# Altium PCB LimeSDR-X3_1v0.PcbDoc (part 11 of 25) (continued)
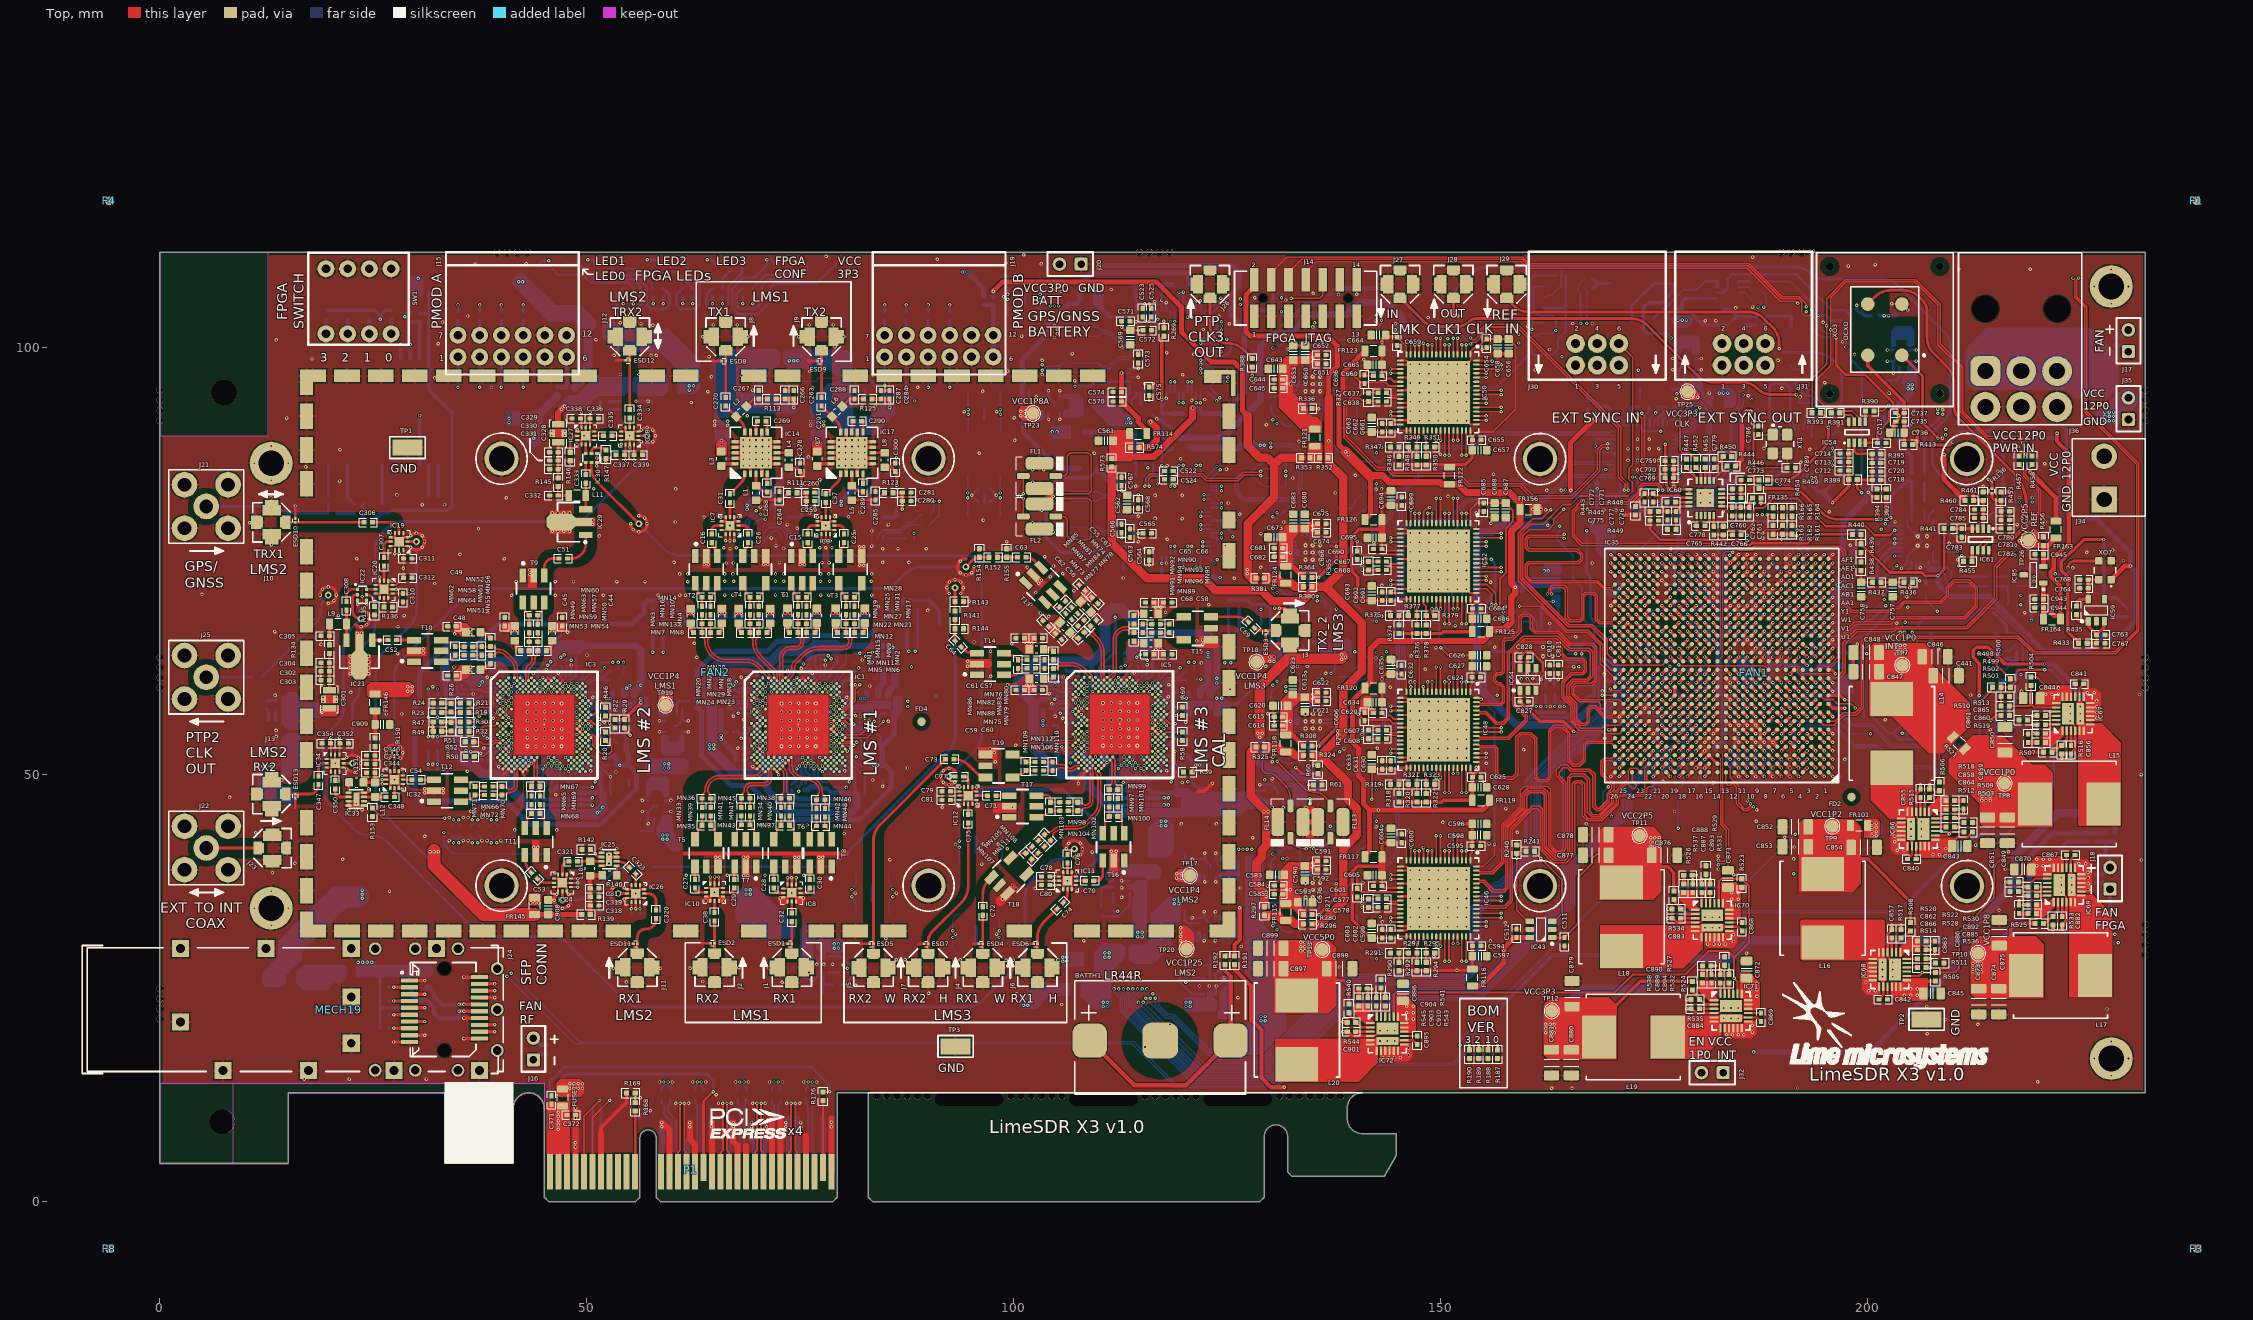
[diagram p0: Top view]
## Nets (pads, with @x,y where several pads share a name; then routed paths per layer and width w, separated by ;. In a path a pad name is that pad's centre, name@x,y a point inside that pad or via, vN(x,y) a via of type N, cw(c..) or ccw(c..) an arc to the next point about the centre after c; other vN are vias at no path point) (continued)
LMS1_MCLK2: IC1.P34 IC35.AA4 | length 196.9
  Top w0.15: IC1.P34@80.24,57.005 81.362,57.005 v1(81.481,56.885)
  Top w0.4: IC35.AA4@192.375,70.275 v1(192.875,70.775)
  L3 w0.1: v1(81.481,56.885) 81.481,57.181 81.971,57.671 83.479,57.671 83.85,57.3 86.725,57.3 86.95,57.525 86.95,58.425 86.775,58.6 85.35,58.6 85.075,58.875 85.075,59.2 85.275,59.4 88.15,59.4 89.575,60.825 89.575,62.974 90.375,63.774 90.375,66.758 96.25,72.633 96.25,75.258 103.3,82.308 103.3,83.133 110.64,90.473 110.64,90.89 111.372,91.622 111.372,102.57 116.301,107.5 120.794,107.5 121.494,108.2 154.032,108.2 154.629,107.603 191.772,107.603 199.256,100.119 199.256,92.56 199.45,92.366 199.45,84.551 197.55,82.651 197.55,77.955 194.525,74.93 194.525,74.75 194.525,74.35 194.745,74.13 195.17,74.13 195.325,73.975 195.325,73.425 195.125,73.225 194.65,73.225 194.475,73.05 194.475,72.425 194.65,72.25 195.15,72.25 195.297,72.103 195.297,71.703 194.225,70.63 193.77,70.175 193.075,70.175 192.875,70.375 v1(192.875,70.775)
LMS1_RESET: IC1.E27 IC35.V1 R2.1 | length 197.6
  Top w0.4: IC35.V1@195.375,67.275 v1(195.875,67.775)
  L3 w0.1: v2(77.909,60.002) 78.392,60.002 81.461,63.071 82.457,63.071 83.207,63.821 84.05,63.821 84.75,64.521 84.75,69.8 86.125,71.175 86.125,72.15 96.17,82.195 96.17,83.795 102.975,90.6 106.525,90.6 108.75,92.825 108.75,103.631 115.219,110.1 119.717,110.1 120.417,110.8 155.109,110.8 155.684,110.225 192.858,110.225 201.875,101.208 201.875,93.618 202.05,93.443 202.05,82.275 200.275,80.5 200.275,71.809 196.241,67.775 v1(195.875,67.775)
  Bottom w0.4: v1(195.875,67.775) R2.1@196.55,67.775
LMS1_RX1_H: C30.1 IC8.8 | length 1.6
  Top w0.325: IC8.8@74.863,36.145 IC8.8@74.988,36.145 75.483,36.145 ccw(c75.483,36.762) C30.1@76.1,36.762
LMS1_RX1_IN: C32.1 ESD1.1 J1.1 | length 3.7
  Top w0.325: J1.1@73.988,29.046 J1.1@73.988,29.121 ESD1.1@73.988,30.196 C32.1@73.988,32.795
LMS1_RX1_L: C28.1 IC8.2 | length 1.6
  Top w0.325: C28.1@71.875,36.762 ccw(c72.492,36.762) 72.492,36.145 IC8.2@72.988,36.145 IC8.2@73.113,36.145
LMS1_RX2_H: C29.1 IC10.8 | length 1.7
  Top w0.325: IC10.8@65.815,36.22 IC10.8@65.94,36.22 66.723,36.22 ccw(c66.723,36.732) C29.1@67.235,36.732
LMS1_RX2_IN: C38.1 ESD2.1 J2.1 | length 3.7
  Top w0.325: J2.1@64.94,29.121 ESD2.1@64.94,30.271 C38.1@64.94,32.87
LMS1_RX2_L: C27.1 IC10.2 | length 1.7
  Top w0.325: C27.1@62.645,36.732 ccw(c63.157,36.732) 63.157,36.22 IC10.2@63.94,36.22 IC10.2@64.065,36.22
LMS1_RXEN: IC1.V34 IC35.AE3 R4.2 | length 139.9
  Top w0.4: IC35.AE3@193.375,74.275 v1(193.875,74.775)
  L6 w0.1: v1(81.516,52.107) 82.653,52.107 101.197,70.65 102.525,70.65 105.025,73.15 109.541,73.15 110.641,72.05 128.1,72.05 128.592,72.05 129.092,72.55 135.817,72.55 136.392,73.125 143.075,73.125 144.275,74.325 155.567,74.325 157.967,76.725 164.117,76.725 165.442,78.05 167.1,78.05 169.55,80.5 170.625,80.5 171.25,81.125 181.65,81.125 183.35,82.825 188.15,82.825 188.525,82.45 189.6,82.45 191.075,80.975 192.325,80.975 192.85,80.45 192.85,79.775 192.7,79.625 192.7,77.525 194.225,76 194.225,75.125 v1(193.875,74.775)
  Bottom w0.15: v1(81.516,52.107) 81.516,52.457 81.753,52.694 82.628,52.694 82.822,52.887 82.822,53.06 R4.2@83.356,53.594
  Bottom w0.2: v2(80.24,55.673) 81.044,54.869 82.081,54.869 R4.2@83.356,53.594
LMS1_RxPLL_CLK: C795.2 IC1.AM24 R465.1 | length 101.6
  L8 w0.1: v2(76.91,51.011) 77.227,51.328 cw(c78.069,50.486) 78.069,51.677 79.339,51.677 ccw(c79.339,54.061) 81.025,52.375 cw(c82.474,50.926) 82.474,52.975 91.298,52.975 ccw(c91.298,55.515) 93.094,53.719 105.481,66.106 cw(c107.277,64.31) 107.277,66.85 121.848,66.85 ccw(c121.848,69.39) 123.644,67.594 125.456,69.406 cw(c127.252,67.61) 127.252,70.15 130.485,70.15 cw(c130.485,67.76) 132.175,69.45 135.506,66.119 ccw(c137.302,67.915) 137.302,65.375 142.923,65.375 cw(c142.923,62.835) 144.719,64.631 146.981,62.369 ccw(c148.777,64.165) 148.777,61.625 151.15,61.625 cw(c151.15,61.025) 151.75,61.025 ccw(c153.078,61.025) 152.139,60.086 cw(c151.448,59.395) 152.425,59.395 152.425,58.525 ccw(c153.075,58.525) 153.075,57.875 153.475,57.875 cw(c153.475,57.09) 154.03,57.645 154.425,57.25 ccw(c155.089,57.914) 155.089,56.975 162.6,56.975 ccw(c162.6,57.725) 163.35,57.725 v1(163.35,57.976)
  Bottom w0.325: C795.2@163.35,58.276 R465.1@163.35,59.376
LMS1_RXRF1_HAB_N: IC1.AJ15 MN46.1 MN48.2 | length 8.3
  Top w0.2: IC1.AJ15@73.913,52.01 cw(c73.672,51.768) 74.013,51.768 74.013,50.984 ccw(c74.968,50.984) 74.293,50.309 74.486,50.116 ccw(c75.5,51.13) 75.5,49.696 75.854,49.696 cw(c75.854,48.01) 77.54,48.01 ccw(c78.048,48.01) 77.689,47.651 77.721,47.618 cw(c77.362,47.259) 77.87,47.259 MN46.1@77.87,47.069 ; MN48.2@77.87,46.019 MN46.1@77.87,47.062
LMS1_RXRF1_HAB_P: IC1.AK14 MN42.2 MN46.2 | length 8
  Top w0.2: IC1.AK14@73.58,51.677 cw(c73.355,51.452) 73.673,51.452 73.673,50.982 ccw(c74.963,50.982) 74.051,50.07 74.248,49.873 ccw(c75.496,51.121) 75.496,49.356 75.854,49.356 cw(c75.854,48.01) 77.2,48.01 cw(c76.692,48.01) 77.051,47.651 77.019,47.618 ccw(c77.378,47.259) 76.87,47.259 MN46.2@76.87,47.069 MN42.2@76.87,46.019
LMS1_RXRF1_HBB_N: MN44.1 MN48.1 T8.6 | length 2.2
  Top w0.2: MN48.1@77.87,45.019 MN44.1@77.87,43.969 78.271,43.568 cw(c78.033,43.33) 78.37,43.33 T8.6@78.37,43.019
LMS1_RXRF1_HBB_P: MN42.1 MN44.2 T8.4 | length 2.2
  Top w0.2: T8.4@76.37,43.019 76.37,43.33 cw(c76.707,43.33) 76.469,43.568 MN44.2@76.87,43.969 76.87,44.619 ; 76.87,44.619 MN42.1@76.87,45.019
LMS1_RXRF1_LAB_N: IC1.AM12 MN38.1 MN40.2 | length 5.1
  Top w0.2: IC1.AM12@72.914,51.011 ccw(c73.012,51.011) 72.943,50.941 72.971,50.913 cw(c72.926,50.869) 72.989,50.869 ccw(c73.052,50.869) 73.007,50.825 73.084,50.748 cw(c72.345,50.009) 73.39,50.009 73.39,48.16 ccw(c73.898,48.16) 73.539,47.801 73.571,47.768 cw(c73.212,47.409) 73.72,47.409 MN38.1@73.72,47.219 ; MN40.2@73.72,46.169 MN38.1@73.72,47.212
LMS1_RXRF1_LAB_P: IC1.AN11 MN34.2 MN38.2 | length 4.8
  Top w0.2: IC1.AN11@72.581,50.678 cw(c72.581,50.58) 72.65,50.649 72.678,50.621 ccw(c72.723,50.665) 72.723,50.603 cw(c72.723,50.54) 72.767,50.584 72.841,50.51 cw(c72.338,50.006) 73.05,50.006 73.05,49.512 73.05,48.16 cw(c72.542,48.16) 72.901,47.801 72.869,47.768 ccw(c73.228,47.409) 72.72,47.409 MN38.2@72.72,47.219 MN34.2@72.72,46.169
LMS1_RXRF1_LBB_N: MN37.1 MN40.1 T6.6 | length 3
  Top w0.2: MN37.1@73.72,44.069 74.121,43.668 cw(c73.883,43.43) 74.22,43.43 74.22,42.78 T6.6@74.565,42.435 ; MN37.1@73.72,44.119 MN40.1@73.72,45.169
LMS1_RXRF1_LBB_P: MN34.1 MN37.2 T6.4 | length 3
  Top w0.2: T6.4@71.875,42.435 72.22,42.78 72.22,43.43 cw(c72.557,43.43) 72.319,43.668 MN37.2@72.72,44.069 ; MN37.2@72.72,44.119 MN34.1@72.72,45.169
LMS1_RXRF2_HAB_N: IC1.AM8 MN45.1 MN47.2 | length 7.2
  Top w0.11: 71.582,50.505 IC1.AM8@71.582,51.011
  Top w0.14: 71.582,50.505 71.582,49.765 71.591,49.755
  Top w0.2: MN47.2@69.08,46.169 MN45.1@69.08,47.212 ; MN45.1@69.08,47.219 69.08,47.409 ccw(c68.572,47.409) 68.931,47.768 68.899,47.801 cw(c69.258,48.16) 68.75,48.16 cw(c69.311,48.16) 69.311,48.721 70.793,48.721 ccw(c70.793,49.519) 71.591,49.519 71.591,49.755
LMS1_RXRF2_HAB_P: IC1.AN7 MN41.2 MN45.2 | length 6.8
  Top w0.14: IC1.AN7@71.249,50.678 cw(c71.22,50.649) 71.261,50.649 71.261,49.765 71.251,49.755
  Top w0.2: MN41.2@68.08,46.169 MN45.2@68.08,47.219 68.08,47.409 cw(c68.588,47.409) 68.229,47.768 68.261,47.801 ccw(c67.902,48.16) 68.41,48.16 cw(c69.311,48.16) 69.311,49.061 70.73,49.061 ccw(c70.73,49.582) 71.251,49.582 71.251,49.755
LMS1_RXRF2_HBB_N: MN43.1 MN47.1 T7.6 | length 3
  Top w0.2: MN43.1@69.08,44.069 69.481,43.668 cw(c69.243,43.43) 69.58,43.43 69.58,42.78 T7.6@69.925,42.435 ; MN43.1@69.08,44.119 MN47.1@69.08,45.169
LMS1_RXRF2_HBB_P: MN41.1 MN43.2 T7.4 | length 3
  Top w0.2: T7.4@67.235,42.435 67.58,42.78 67.58,43.43 cw(c67.917,43.43) 67.679,43.668 MN43.2@68.08,44.069 ; MN43.2@68.08,44.119 MN41.1@68.08,45.169
LMS1_RXRF2_LAB_N: IC1.AP6 MN36.1 MN39.2 | length 9.9
  Top w0.2: MN39.2@64.49,46.169 MN36.1@64.49,47.212 ; MN36.1@64.49,47.219 64.49,47.314 64.49,47.409 ccw(c63.982,47.409) 64.341,47.768 64.309,47.801 cw(c64.668,48.16) 64.16,48.16 cw(c65.556,48.16) 65.556,49.556 69.647,49.556 ccw(c69.647,50.49) 70.308,49.829 70.73,50.251 cw(c70.774,50.207) 70.774,50.27 ccw(c70.774,50.332) 70.819,50.288 70.847,50.316 cw(c70.916,50.247) IC1.AP6@70.916,50.345
LMS1_RXRF2_LAB_P: IC1.AN5 MN33.2 MN36.2 | length 10.2
  Top w0.2: MN33.2@63.49,46.169 63.49,47.219 63.49,47.314 63.49,47.409 cw(c63.998,47.409) 63.639,47.768 63.671,47.801 ccw(c63.312,48.16) 63.82,48.16 63.82,48.164 cw(c65.552,48.164) 65.552,49.896 69.646,49.896 ccw(c69.646,50.493) 70.068,50.07 70.49,50.492 ccw(c70.445,50.536) 70.508,50.536 cw(c70.571,50.536) 70.526,50.58 70.554,50.608 ccw(c70.485,50.678) IC1.AN5@70.583,50.678
LMS1_RXRF2_LBB_N: MN35.1 MN39.1 T5.6 | length 3
  Top w0.2: MN35.1@64.49,44.069 64.891,43.668 cw(c64.653,43.43) 64.99,43.43 64.99,42.78 T5.6@65.335,42.435 ; MN35.1@64.49,44.119 MN39.1@64.49,45.169
LMS1_RXRF2_LBB_P: MN33.1 MN35.2 T5.4 | length 3
  Top w0.2: T5.4@62.645,42.435 62.99,42.78 62.99,43.43 cw(c63.327,43.43) 63.089,43.668 MN35.2@63.49,44.069 ; MN35.2@63.49,44.119 MN33.1@63.49,45.169
LMS1_TX1_1: C16.1 IC7.8 | length 2
  Top w0.325: C16.1@64.627,78.16 64.627,78.648 cw(c65.14,78.648) 65.14,79.16 IC7.8@65.747,79.16 IC7.8@65.872,79.16
LMS1_TX1_2: C26.1 IC7.2 | length 2
  Top w0.325: IC7.2@67.622,79.16 IC7.2@67.747,79.16 68.355,79.16 cw(c68.355,78.648) 68.867,78.648 C26.1@68.867,78.16
LMS1_TX1_EN: IC13.3 IC35.J23 | length 128.4
  Top w0.4: v1(172.875,57.775) IC35.J23@173.375,58.275
  L4 w0.1: v1(131.825,60.3) 134.3,57.825 136,57.825 137.575,56.25 143.817,56.25 145.667,58.1 153.45,58.1 154.75,56.8 168.55,56.8 169.1,57.35 172.45,57.35 v1(172.875,57.775)
  L10 w0.1: v1(87.375,94) 87.625,94.25 88.398,94.25 88.948,93.7 104.525,93.7 105.425,92.8 113.783,92.8 114.925,91.658 114.925,87.825 116.528,86.222 116.528,85.83 117.725,84.633 117.725,80.308 119.7,78.333 119.7,76.178 120.65,75.228 120.65,72.983 129.1,64.533 129.1,60.608 129.858,59.85 131.375,59.85 v1(131.825,60.3)
  Bottom w0.15: IC13.3@74.075,96.075 76.775,96.075 77.1,96.4 82.7,96.4 84.75,94.35 87.025,94.35 v1(87.375,94)
LMS1_TX1_OUT: C31.1 IC14.1 | length 3
  Top w0.325: C31.1@66.747,82.88 68.073,84.206 ccw(c67.049,85.23) IC14.1@68.497,85.23
LMS1_TX1_PA_OUT: C270.2 ESD8.1 J8.1 | length 5.4
  Top w0.325: C270.2@66.247,94.155 ESD8.1@66.247,98.429 J8.1@66.247,99.579
LMS1_TX1_PA_VCTRL: C276.1 C278.1 L4.2 R117.1 | length 4.9
  Top w0.4: L4.2@73.647,85.98 73.828,85.8 74.65,85.8 C278.1@74.95,85.5 75.072,85.378 v1(75.072,83.88)
  Bottom w0.4: R117.1@75.069,82.189 C276.1@75.069,83.264 v1@75.069,83.877
LMS1_TX2_1: C15.1 IC9.8 | length 2
  Top w0.325: C15.1@75.853,78.16 75.853,78.648 cw(c76.366,78.648) 76.366,79.16 IC9.8@76.973,79.16 IC9.8@77.098,79.16
LMS1_TX2_2: C25.1 IC9.2 | length 2
  Top w0.325: IC9.2@78.848,79.16 IC9.2@78.973,79.16 79.581,79.16 cw(c79.581,78.648) 80.093,78.648 C25.1@80.093,78.16
LMS1_TX2_EN: IC16.3 IC35.H23 | length 120.5
  Top w0.4: v1(172.875,56.775) IC35.H23@173.375,57.275
  L4 w0.1: v1(131.825,59.75) 133.95,57.625 135.917,57.625 137.492,56.05 139.4,56.05 143.9,56.05 145.75,57.9 153.367,57.9 154.667,56.6 168.633,56.6 169.183,57.15 172.5,57.15 v1(172.875,56.775)
  L10 w0.1: v1(88.375,93.75) 88.625,93.5 104.442,93.5 105.342,92.6 113.7,92.6 114.725,91.575 114.725,87.742 116.328,86.139 116.328,85.747 117.525,84.55 117.525,80.225 119.5,78.25 119.5,76.096 120.45,75.146 120.45,72.9 128.9,64.45 128.9,60.525 129.925,59.5 131.575,59.5 v1(131.825,59.75)
  Bottom w0.15: IC16.3@82.6,97.7 82.6,96.875 84.875,94.6 87.525,94.6 v1(88.375,93.75)
LMS1_TX2_OUT: C37.1 IC17.1 | length 3
  Top w0.325: C37.1@77.973,82.88 79.299,84.206 ccw(c78.275,85.23) IC17.1@79.723,85.23
LMS1_TX2_PA_OUT: C291.2 ESD9.1 J9.1 | length 5.4
  Top w0.325: C291.2@77.474,94.155 ESD9.1@77.473,98.429 J9.1@77.473,99.579
LMS1_TX2_PA_VCTRL: C297.1 C300.1 L8.2 R129.1 | length 4.8
  Top w0.4: L8.2@84.874,85.98 85.621,85.98 C300.1@86.098,85.503 86.299,85.303 v1(86.299,83.88)
  Bottom w0.4: R129.1@86.296,82.189 C297.1@86.296,83.264 86.296,83.877 v1(86.299,83.88)
LMS1_TXEN: IC1.U29 IC35.V6 R3.2 | length 190.7
  Top w0.4: IC35.V6@190.375,67.275 v1(190.875,67.775)
  L3 w0.1: v2(78.575,56.006) 78.575,55.45 78.05,54.925 78.05,52.046 80.05,50.046 80.804,50.046 81.829,49.021 83.721,49.021 86.075,51.375 91.6,51.375 94.9,54.675 96.675,54.675 101.125,59.125 101.908,59.125 103.05,60.267 103.05,61.542 111.1,69.592 111.1,80.925 113.875,83.7 113.875,84.142 114.325,84.592 114.325,85.134 116.729,87.539 122.114,87.539 129.811,95.236 129.811,100.228 130.558,100.975 135.206,100.975 136.356,102.125 140.181,102.125 142.256,104.2 152.375,104.2 153.377,103.198 172.262,103.198 173.309,102.15 188.5,102.15 190.3,100.35 190.3,93.925 191.3,92.925 191.3,82.611 189.8,81.111 189.8,78.833 189.025,78.058 189.025,77.358 188.125,76.458 188.125,74.825 188.125,74.464 188.375,74.214 188.375,71.78 189.663,70.492 189.73,70.425 190.72,70.425 191.225,69.92 191.225,68.125 v1(190.875,67.775)
  Bottom w0.4: v1(190.875,67.775) R3.2@191.375,68.275
LMS1_TXNRX1: IC1.V32 IC35.AF4 R1.1 | length 182.7
  Top w0.4: IC35.AF4@192.375,75.275 v1(192.875,75.775)
  L3 w0.1: v2(79.574,55.673) 79.582,55.681 79.582,56.145 79.768,56.331 80.094,56.331 81.068,55.357 90.667,55.357 91.875,56.565 91.875,65.224 98.5,71.849 98.5,73.775 107.325,82.6 107.325,84.4 107.6,84.675 107.9,84.675 113.675,90.45 121.065,90.45 125.9,95.285 125.9,96.875 124.7,98.075 124.7,98.4 125.975,99.675 125.975,101.706 128.869,104.6 131.875,104.6 132.35,104.125 133.075,104.125 133.65,104.7 133.65,105.734 134.916,107 153.535,107 154.537,105.998 189.862,105.998 197.441,98.418 197.441,84.471 195.05,82.075 195.05,78.253 192.875,76.078 v1(192.875,75.775)
  Bottom w0.4: v1@192.875,75.825 R1.1@192.875,76.525
LMS1_TXNRX2: IC1.U31 IC35.AF3 R10.2 | length 194.2
  Top w0.4: IC35.AF3@193.375,75.275 v1(193.875,75.775)
  L3 w0.1: v1(82.55,56.621) 83.45,56.621 83.8,56.971 87.296,56.971 90.45,60.125 90.45,63 90.975,63.525 90.975,65.65 97.175,71.85 97.175,73.675 103.95,80.45 103.95,82.675 111.24,89.965 111.24,90.641 111.975,91.376 111.975,102.325 116.55,106.9 121.043,106.9 121.743,107.6 121.956,107.6 122.26,107.6 122.625,107.6 cw(c122.625,107.357) 122.868,107.357 122.868,106.319 ccw(c123.111,106.319) 123.111,106.076 123.233,106.076 ccw(c123.233,106.319) 123.476,106.319 123.476,107.357 cw(c123.719,107.357) 123.719,107.6 123.841,107.6 cw(c123.841,107.357) 124.084,107.357 124.084,106.388 ccw(c124.327,106.388) 124.327,106.145 124.449,106.145 ccw(c124.449,106.388) 124.692,106.388 124.692,107.357 cw(c124.935,107.357) 124.935,107.6 125.057,107.6 cw(c125.057,107.357) 125.3,107.357 125.3,106.319 ccw(c125.543,106.319) 125.543,106.076 125.665,106.076 ccw(c125.665,106.319) 125.908,106.319 125.908,107.357 cw(c126.151,107.357) 126.151,107.6 126.273,107.6 cw(c126.273,107.357) 126.516,107.357 126.516,106.319 ccw(c126.759,106.319) 126.759,106.076 126.881,106.076 ccw(c126.881,106.319) 127.124,106.319 127.124,107.357 cw(c127.367,107.357) 127.367,107.6 129.4,107.6 153.783,107.6 154.386,106.998 191.407,106.998 197.875,100.53 197.875,98.925 198.25,98.55 198.25,85.625 198.675,85.2 198.675,84.625 196.95,82.9 196.95,78.85 v1(193.875,75.775)
  L4 w0.1: v2(79.241,56.006) 79.366,56.006 80.054,56.694 81.122,56.694 81.47,56.346 82.275,56.346 v1(82.55,56.621)
  Bottom w0.15: v2(79.241,56.006) v2@79.258,56.023
  Bottom w0.4: v1(193.875,75.775) R10.2@194.375,75.275
LMS1_TxPLL_CLK: C794.2 IC1.E5 R464.1 | length 108.1
  L8 w0.1: v2(70.583,60.002) cw(c71.508,60.926) 70.2,60.926 cw(c71.163,60.926) 70.482,61.607 76.056,67.181 cw(c77.852,65.385) 76.235,67.343 76.322,67.431 cw(c78.118,65.635) 78.118,68.175 107.971,68.175 cw(c107.971,67.321) 108.575,67.925 ccw(c109.179,68.529) 109.179,67.675 121.298,67.675 ccw(c121.298,70.215) 123.094,68.419 124.581,69.906 cw(c126.377,68.11) 126.377,70.65 130.798,70.65 cw(c130.798,68.11) 132.594,69.906 135.806,66.694 ccw(c137.602,68.49) 137.602,65.95 149.098,65.95 cw(c149.098,63.41) 150.894,65.206 153.256,62.844 cw(c151.46,61.048) 154,61.048 154,58.964 ccw(c154.939,58.964) 154.275,58.3 ccw(c155.995,60.02) 155.995,57.588 158.259,57.588 ccw(c158.259,58.561) 158.948,57.873 159.225,58.15 cw(c160.251,57.124) 160.251,58.575 163.851,58.575 cw(c163.851,57.976) v1(164.45,57.976)
  Bottom w0.325: C794.2@164.45,58.276 R464.1@164.45,59.376
LMS1_TXRF1_1AB_N: IC1.A7 MN7.1 MN13.2 MN16.2 | length 12.7
  Top w0.2: MN16.2@63.47,68.721 MN13.2@63.47,67.671 63.47,67.021 MN7.1@63.47,66.621 63.47,66.431 ccw(c63.978,66.431) 63.619,66.072 63.651,66.039 cw(c63.292,65.68) 63.8,65.68 ccw(c66.33,65.68) 66.33,63.151 68.787,63.151 cw(c68.787,61.71) 69.806,62.729 71.166,61.369 71.214,61.369 IC1.A7@71.249,61.334
LMS1_TXRF1_1AB_P: IC1.B8 MN8.1 MN10.2 MN13.1 | length 13
  Top w0.11: 71.354,61.696 71.504,61.546 cw(c71.314,61.356) 71.582,61.356 IC1.B8@71.582,61.001
  Top w0.2: MN10.2@64.47,68.721 MN13.1@64.47,67.671 MN8.1@64.47,66.621 64.47,66.431 cw(c63.962,66.431) 64.321,66.072 64.289,66.039 ccw(c64.648,65.68) 64.14,65.68 ccw(c66.33,65.68) 66.33,63.491 68.787,63.491 cw(c68.787,61.71) 70.046,62.969 71.311,61.704
LMS1_TXRF1_1BB_N: MN14.1 MN16.1 T2.6 | length 3
  Top w0.2: T2.6@62.625,72.405 62.97,72.06 62.97,71.41 ccw(c63.307,71.41) 63.069,71.172 MN14.1@63.47,70.771 MN16.1@63.47,69.721
LMS1_TXRF1_1BB_P: MN10.1 MN14.2 T2.4 | length 3
  Top w0.2: MN10.1@64.47,69.721 64.47,70.121 MN14.2@64.47,70.771 64.871,71.172 ccw(c64.633,71.41) 64.97,71.41 64.97,72.06 T2.4@65.315,72.405
LMS1_TXRF1_2AB_N: IC1.B10 MN23.1 MN29.1 MN32.1 | length 8.7
  Top w0.19: IC1.B10@72.248,61.001 ccw(c72.132,61.116) 72.296,61.116 72.296,61.501
  Top w0.2: MN32.1@70.1,68.721 MN29.1@70.1,67.671 MN23.1@70.1,66.621 70.1,66.431 cw(c69.592,66.431) 69.951,66.072 69.919,66.039 ccw(c70.278,65.68) 69.77,65.68 69.77,65.556 ccw(c72.21,65.556) 70.485,63.83 71.93,62.385 cw(c71.046,61.501) 72.296,61.501
LMS1_TXRF1_2AB_P: IC1.A9 MN24.1 MN26.2 MN29.2 | length 8.4
  Top w0.2: MN26.2@69.1,68.721 MN29.2@69.1,67.671 69.1,67.021 MN24.1@69.1,66.621 69.1,66.431 ccw(c69.608,66.431) 69.249,66.072 69.281,66.039 cw(c68.922,65.68) 69.43,65.68 69.43,65.555 ; 69.43,65.555 ccw(c72.207,65.555) 70.242,63.592 ccw(c72.207,65.555) 70.243,63.591 71.695,62.139 cw(c71.165,61.609) 71.915,61.609 IC1.A9@71.915,61.334
LMS1_TXRF1_2BB_N: MN30.1 MN32.2 T4.4 | length 3
  Top w0.2: MN32.2@70.1,69.721 70.1,70.121 MN30.1@70.1,70.771 70.501,71.172 ccw(c70.263,71.41) 70.6,71.41 70.6,72.06 T4.4@70.945,72.405
LMS1_TXRF1_2BB_P: MN26.1 MN30.2 T4.6 | length 3
  Top w0.2: T4.6@68.255,72.405 68.6,72.06 68.6,71.41 ccw(c68.937,71.41) 68.699,71.172 MN30.2@69.1,70.771 MN26.1@69.1,69.721
LMS1_TXRF2_1AB_N: IC1.C11 MN5.1 MN11.2 MN15.2 | length 9.8
  Top w0.11: IC1.C11@72.581,60.668 72.581,61.173
  Top w0.14: 72.572,61.923 72.581,61.913 72.581,61.173
  Top w0.2: 72.572,61.923 72.572,62.582 72.572,63.671 cw(c73.901,63.671) 73.901,65 74.5,65 ccw(c74.5,65.53) 75.03,65.53 75.03,65.68 ccw(c74.522,65.68) 74.881,66.039 74.849,66.072 cw(c75.208,66.431) 74.7,66.431 MN5.1@74.7,66.621 74.7,67.021 MN11.2@74.7,67.671 MN15.2@74.7,68.721
LMS1_TXRF2_1AB_P: IC1.B12 MN6.1 MN9.2 MN11.1 | length 9.5
  Top w0.14: 72.912,61.923 72.902,61.913 72.902,61.03 ccw(c72.943,61.03) IC1.B12@72.914,61.001
  Top w0.2: 72.912,61.923 72.912,62.577 72.912,63.671 cw(c73.901,63.671) 73.901,64.66 74.5,64.66 ccw(c74.5,65.53) 75.37,65.53 75.37,65.68 cw(c75.878,65.68) 75.519,66.039 75.551,66.072 ccw(c75.192,66.431) 75.7,66.431 MN6.1@75.7,66.621 MN11.1@75.7,67.671 MN9.2@75.7,68.721
LMS1_TXRF2_1BB_N: MN12.1 MN15.1 T1.6 | length 3
  Top w0.2: T1.6@73.855,72.405 74.2,72.06 74.2,71.41 ccw(c74.537,71.41) 74.299,71.172 MN12.1@74.7,70.771 MN15.1@74.7,69.721
LMS1_TXRF2_1BB_P: MN9.1 MN12.2 T1.4 | length 3
  Top w0.2: MN9.1@75.7,69.721 75.7,70.121 MN12.2@75.7,70.771 76.101,71.172 ccw(c75.863,71.41) 76.2,71.41 76.2,72.06 T1.4@76.545,72.405
LMS1_TXRF2_2AB_N: IC1.B14 MN21.1 MN27.1 MN31.1 | length 13.1
  Top w0.2: IC1.B14@73.58,61.001 cw(c73.678,61.001) IC1.B14@73.609,61.07 ; IC1.B14@73.609,61.07 73.637,61.098 ccw(c73.592,61.142) 73.655,61.142 cw(c73.718,61.142) 73.673,61.187 73.979,61.492 ccw(c73.228,62.243) 74.29,62.243 74.29,62.415 cw(c75.185,62.415) 74.552,63.048 75.42,63.916 cw(c77.217,62.12) 77.217,64.66 80.082,64.66 ccw(c80.082,65.574) 80.996,65.574 80.996,65.68 cw(c81.504,65.68) 81.145,66.039 81.177,66.072 ccw(c80.818,66.431) 81.326,66.431 MN21.1@81.326,66.621 MN27.1@81.326,67.671 MN31.1@81.326,68.721
LMS1_TXRF2_2AB_P: IC1.A13 MN22.1 MN25.2 MN27.2 | length 12.9
  Top w0.2: IC1.A13@73.247,61.334 ccw(c73.247,61.432) IC1.A13@73.316,61.362 ; IC1.A13@73.316,61.362 73.344,61.39 cw(c73.389,61.346) 73.389,61.409 ccw(c73.389,61.471) 73.433,61.427 73.738,61.732 ccw(c73.227,62.243) 73.95,62.243 73.95,62.556 cw(c74.845,62.556) 73.95,62.558 cw(c74.845,62.556) 74.212,63.189 75.181,64.158 cw(c77.215,62.125) 77.215,65 80.082,65 ccw(c80.082,65.574) 80.656,65.574 80.656,65.68 ccw(c80.148,65.68) 80.507,66.039 80.475,66.072 cw(c80.834,66.431) 80.326,66.431 MN22.1@80.326,66.621 80.326,67.021 MN27.2@80.326,67.671 MN25.2@80.326,68.721
LMS1_TXRF2_2BB_N: MN28.1 MN31.2 T3.4 | length 3
  Top w0.2: MN31.2@81.326,69.721 81.326,70.121 MN28.1@81.326,70.771 81.727,71.172 ccw(c81.489,71.41) 81.826,71.41 81.826,72.06 T3.4@82.171,72.405
LMS1_TXRF2_2BB_P: MN25.1 MN28.2 T3.6 | length 3
  Top w0.2: T3.6@79.481,72.405 79.826,72.06 79.826,71.41 ccw(c80.163,71.41) 79.925,71.172 MN28.2@80.326,70.771 MN25.1@80.326,69.721
LMS2_BB_ADC1_CLK_N: C578.2 IC63.25 R271.1 | length 76.4
  Top w0.2: v1(140.752,34.452) R271.1@141.534,34.452 C578.2@142.634,34.452
  Bottom w0.2: v1(140.752,34.452) 140.806,34.452 140.906,34.552 140.917,34.552 141.167,34.802 142.601,34.802 143.375,35.576 143.375,39 145.075,40.7 145.075,60.825 145.7,61.45 145.7,78.425 146.85,79.575 151.274,79.575 151.875,80.176 151.875,80.675 153.15,81.95 162.174,81.95 165.049,84.825 169.812,84.825 169.887,84.75 170.275,84.75 IC63.25@170.3,84.725
LMS2_BB_ADC1_CLK_P: C577.2 IC63.26 R271.2 | length 76.4
  Top w0.2: v1(140.752,35.452) R271.2@141.534,35.452 C577.2@142.634,35.452
  Bottom w0.2: v1(140.752,35.452) 140.806,35.452 140.906,35.352 140.917,35.352 141.167,35.102 142.477,35.102 143.075,35.7 143.075,39.124 144.775,40.824 144.775,60.949 145.4,61.574 145.4,78.549 146.726,79.875 151.15,79.875 151.575,80.3 151.575,80.799 153.026,82.25 162.05,82.25 164.925,85.125 169.812,85.125 169.887,85.2 170.275,85.2 IC63.26@170.3,85.225
LMS2_BB_ADC1_CLKC_N: C578.1 IC46.26 | length 1.8
  Top w0.2: C578.1@143.634,34.5 143.822,34.688 ccw(c143.794,34.716) 143.834,34.716 cw(c143.873,34.716) 143.845,34.744 cw(c144.1,34.49) 144.1,34.85 144.625,34.85 144.813,34.85 cw(c144.813,34.679) 144.934,34.8 ccw(c145.055,34.921) 145.055,34.75 IC46.26@145.25,34.75
LMS2_BB_ADC1_CLKC_P: C577.1 IC46.25 | length 1.8
  Top w0.2: C577.1@143.634,35.5 C577.1@143.822,35.312 ; C577.1@143.822,35.312 cw(c143.794,35.284) 143.834,35.284 ccw(c143.873,35.284) 143.845,35.256 ccw(c144.1,35.51) 144.1,35.15 144.813,35.15 ccw(c144.813,35.321) 144.934,35.2 cw(c145.055,35.079) 145.055,35.25 IC46.25@145.25,35.25
LMS2_BB_ADC1_CLKOUT_N: IC35.C18 IC46.56 | length 51.6
  Top w0.2: IC46.56@154.15,35.25 v1(157.05,35.25)
  Top w0.4: v1(177.875,51.775) IC35.C18@178.375,52.275
  L3 w0.1: v1(157.05,35.25) 157.021,35.25 156.871,35.4 156.167,35.4 155.925,35.642 155.925,36.375 156.35,36.8 157.65,36.8 158.233,36.8 158.717,36.316 158.717,31.708 159.05,31.375 159.875,31.375 160.1,31.6 160.1,33.441 160.934,34.275 163,34.275 164.475,35.75 164.475,39.307 165.093,39.925 168.751,39.925 176.076,47.25 179.25,47.25 180.3,48.3 180.3,51.9 180.025,52.175 178.275,52.175 v1(177.875,51.775)
LMS2_BB_ADC1_CLKOUT_P: IC35.D18 IC46.57 | length 51.6
  Top w0.2: IC46.57@154.15,35.75 v1(157.05,35.75)
  Top w0.4: v1(177.875,52.775) IC35.D18@178.375,53.275
  L3 w0.1: v1(157.05,35.75) 157.021,35.75 156.871,35.6 156.25,35.6 156.125,35.725 156.125,36.292 156.433,36.6 158.15,36.6 158.517,36.233 158.517,31.625 158.967,31.175 159.958,31.175 160.3,31.517 160.3,33.358 161.017,34.075 163.083,34.075 164.675,35.667 164.675,39.224 165.176,39.725 168.834,39.725 176.159,47.05 179.333,47.05 180.5,48.217 180.5,51.983 180.108,52.375 178.275,52.375 v1(177.875,52.775)
LMS2_BB_ADC1_CTRL1: IC46.35 R290.1 R291.2 | length 4.1
  Top w0.24: R290.1@145.075,28.025 R291.2@145.075,29.125 146,30.05 146.425,30.05 146.95,30.575 IC46.35@146.95,31.05
LMS2_BB_ADC1_CTRL2: IC46.36 R292.1 R293.2 | length 3.1
  Top w0.24: R292.1@147.175,28.025 R293.2@147.175,29.125 147.175,30.225 147.45,30.5 IC46.36@147.45,31.05
LMS2_BB_ADC1_CTRL3: IC46.37 R294.1 R295.2 | length 3.2
  Top w0.24: IC46.37@147.95,31.05 147.95,30.525 148.275,30.2 R295.2@148.275,29.125 R294.1@148.275,28.025
LMS2_BB_ADC1_DA0_N: IC35.A20 IC46.40 | length 51.8
  Top w0.2: v1(149.45,29.9) IC46.40@149.45,31.05
  Top w0.4: IC35.A20@176.375,50.275 v1(176.875,49.775)
  L3 w0.1: v1(149.45,29.9) 149.45,29.871 149.6,29.721 149.6,28.4 149.5,28.3 146.95,28.3 146.525,28.725 146.525,30.925 146.675,31.075 149.758,31.075 150.033,31.075 150.35,31.392 150.35,39.4 150.55,39.6 155.083,39.6 157.383,41.9 168.141,41.9 171.776,45.534 176.016,49.775 v1(176.875,49.775)
LMS2_BB_ADC1_DA0_P: IC35.B20 IC46.41 | length 52.6
  Top w0.2: v1(149.95,29.9) IC46.41@149.95,31.05
  Top w0.4: v1(175.875,50.775) IC35.B20@176.375,51.275
  L3 w0.1: v1(149.95,29.9) 149.95,29.871 149.8,29.721 149.8,28.892 149.8,28.317 149.583,28.1 146.867,28.1 146.325,28.642 146.325,31.008 146.592,31.275 148.742,31.275 149.95,31.275 150.15,31.475 150.15,39.025 150.15,39.483 150.467,39.8 155,39.8 157.3,42.1 168.059,42.1 175.875,49.916 v1(175.875,50.775)
LMS2_BB_ADC1_DA1_N: IC35.A18 IC46.42 | length 52.2
  Top w0.2: v1(150.45,28.15) IC46.42@150.45,31.05
  Top w0.4: v1(177.875,49.775) IC35.A18@178.375,50.275
  L3 w0.1: v1(150.45,28.15) 150.45,28.179 150.6,28.329 150.6,28.6 150.6,28.808 150.967,29.175 151.175,29.175 152.017,29.175 152.2,29.358 152.667,29.825 153.975,29.825 154.375,30.225 154.375,30.884 153.859,31.4 152.875,31.4 152.375,31.9 152.375,32.424 152.751,32.8 153.25,32.8 153.525,33.075 153.525,33.5 153.3,33.725 152.685,33.725 152.375,34.035 152.375,34.485 152.375,34.624 152.801,35.05 153.225,35.05 153.475,35.3 153.475,35.7 153.225,35.95 152.717,35.95 152.375,36.292 152.375,37.958 152.817,38.4 154.767,38.4 157.667,41.3 168.417,41.3 175.567,48.45 177.575,48.45 178.275,49.15 178.275,49.375 v1(177.875,49.775)
LMS2_BB_ADC1_DA1_P: IC35.A17 IC46.43 | length 52.2
  Top w0.2: v1(150.95,28.15) IC46.43@150.95,31.05
  Top w0.4: v1(178.875,49.775) IC35.A17@179.375,50.275
  L3 w0.1: v1(150.95,28.15) 150.95,28.179 150.8,28.329 150.8,28.725 151.05,28.975 152.1,28.975 152.283,29.158 152.75,29.625 154.058,29.625 154.575,30.142 154.575,30.967 153.942,31.6 152.958,31.6 152.575,31.983 152.575,32.341 152.834,32.6 153.333,32.6 153.725,32.992 153.725,33.583 153.383,33.925 152.768,33.925 152.575,34.118 152.575,34.541 152.884,34.85 153.308,34.85 153.675,35.217 153.675,35.783 153.308,36.15 152.8,36.15 152.575,36.375 152.575,36.608 152.575,37.875 152.9,38.2 154.85,38.2 157.75,41.1 168.5,41.1 175.65,48.25 177.658,48.25 178.475,49.067 178.475,49.375 v1(178.875,49.775)
LMS2_BB_ADC1_DA2_N: IC35.F17 IC46.44 | length 52.4
  Top w0.2: v1(151.45,30.225) IC46.44@151.45,31.05
  Top w0.4: IC35.F17@179.375,55.275 v1(179.875,55.775)
  L3 w0.1: v1(151.45,30.225) 151.45,30.196 151.6,30.046 151.6,29.725 151.475,29.6 150.875,29.6 150.75,29.725 150.75,30.775 151.425,31.45 151.425,38.992 151.633,39.2 154.575,39.2 155.249,39.2 157.549,41.5 168.325,41.5 175.475,48.65 176.783,48.65 177.425,49.292 177.425,50.003 177.103,50.325 176.675,50.325 176.45,50.55 176.45,51.845 176.806,52.201 177.079,52.201 177.425,52.547 177.425,52.82 177.78,53.175 179.108,53.175 179.475,53.542 179.475,55.375 v1(179.875,55.775)